# KiCad board driver.kicad_pcb (continued)
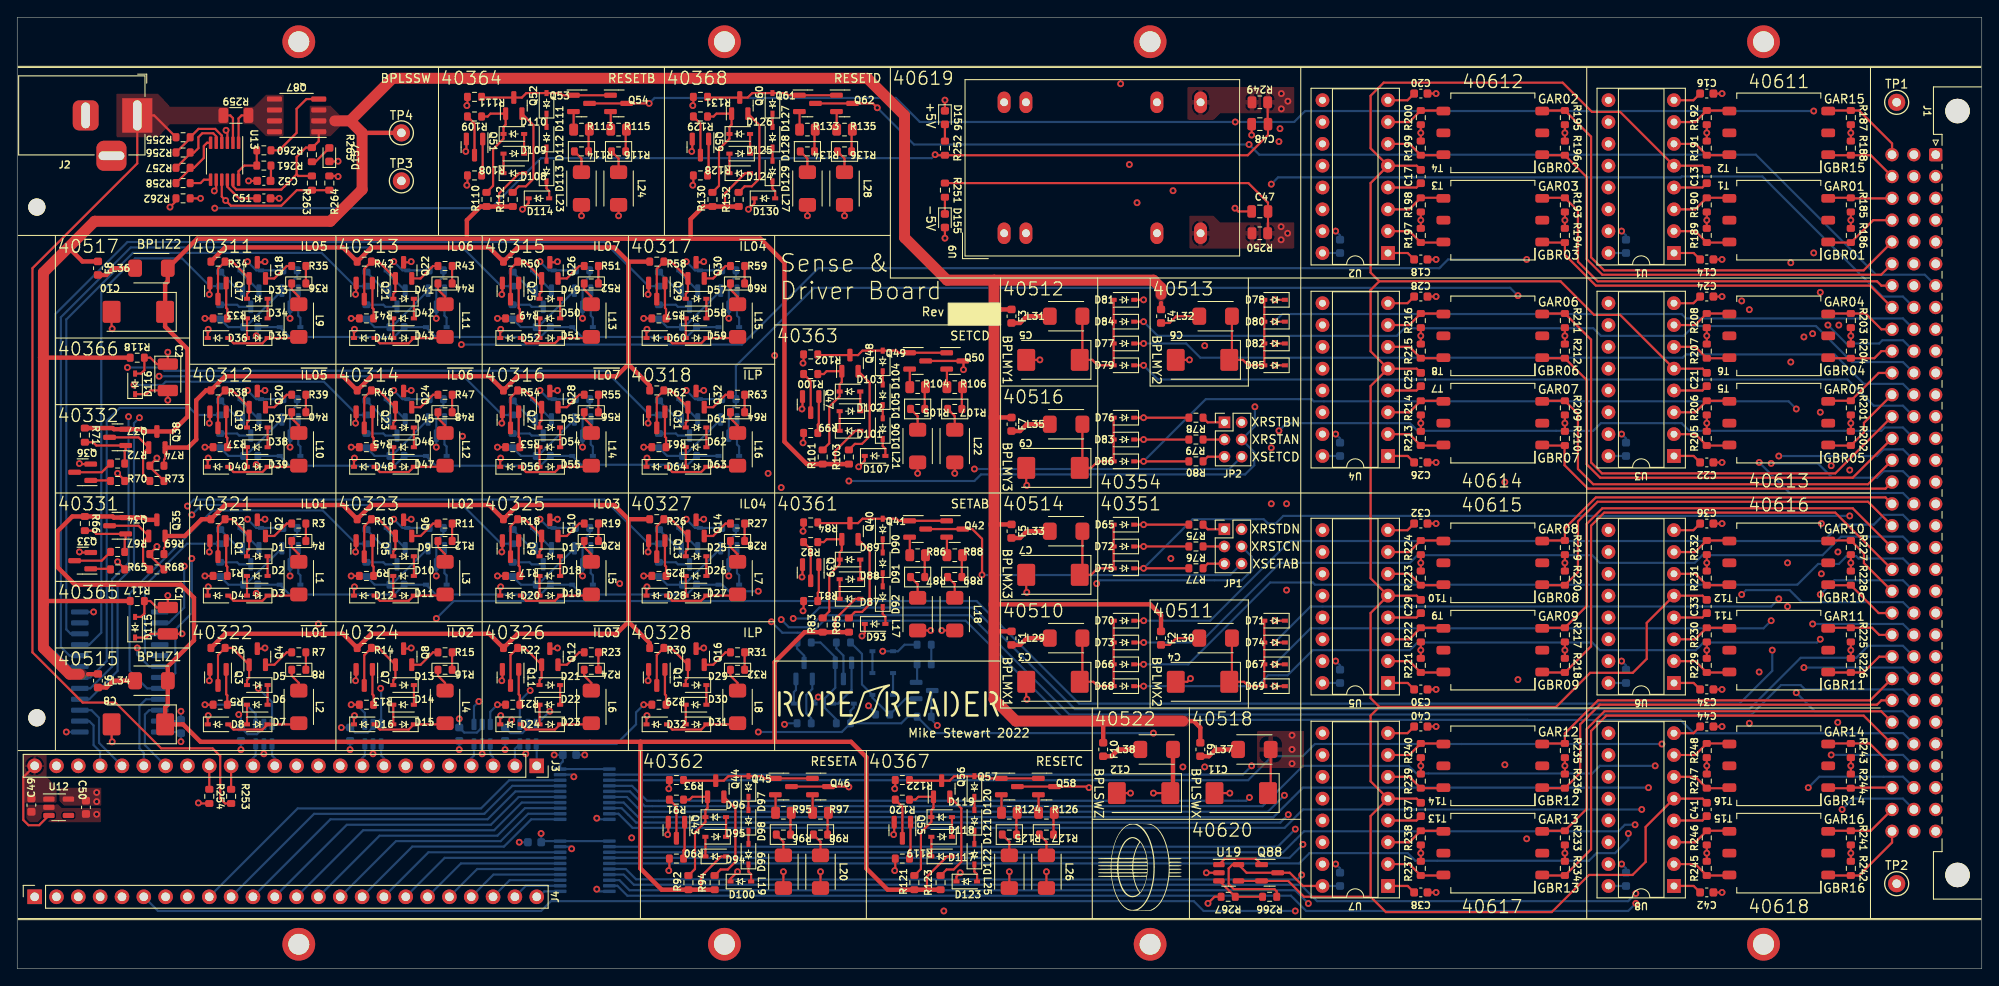
[diagram p0: board, top side]
## Footprints (pads in the part's own frame, mm; a bottom-side part is the same pattern mirrored in y, then rotated) (continued)
CP_EIA-3528-21_Kemet-B
  rrect 1.325x2.35 smd: 1(-1.538,0) 2(1.538,0)
CP_EIA-7343-31_Kemet-D
  rrect 2.075x2.55 smd: 1(-3.112,0) 2(3.112,0)
D_SOD-323
  rect 0.7x0.46 smd: 1(-1.2,0) 2(1.2,0)
DIN41612_C_3x32_Male_Horizontal_THT
  round 2.85 hole 2.85 unplated: (-5.08,2.54) (83.82,2.54)
  rrect 1.55x1.55 hole 1: a1(0,0)
  round 1.55 hole 1: a2(2.54,0) a3(5.08,0) a4(7.62,0) a5(10.16,0) a6(12.7,0) a7(15.24,0) a8(17.78,0) a9(20.32,0) a10(22.86,0) a11(25.4,0) a12(27.94,0) a13(30.48,0) a14(33.02,0) a15(35.56,0) a16(38.1,0) a17(40.64,0) a18(43.18,0) a19(45.72,0) a20(48.26,0) a21(50.8,0) a22(53.34,0) a23(55.88,0) a24(58.42,0) a25(60.96,0) a26(63.5,0) a27(66.04,0) a28(68.58,0) a29(71.12,0) a30(73.66,0) a31(76.2,0) a32(78.74,0) b1(0,-2.54) b2(2.54,-2.54) b3(5.08,-2.54) b4(7.62,-2.54) b5(10.16,-2.54) b6(12.7,-2.54) b7(15.24,-2.54) b8(17.78,-2.54) b9(20.32,-2.54) b10(22.86,-2.54) b11(25.4,-2.54) b12(27.94,-2.54) b13(30.48,-2.54) b14(33.02,-2.54) b15(35.56,-2.54) b16(38.1,-2.54) b17(40.64,-2.54) b18(43.18,-2.54) b19(45.72,-2.54) b20(48.26,-2.54) b21(50.8,-2.54) b22(53.34,-2.54) b23(55.88,-2.54) b24(58.42,-2.54) b25(60.96,-2.54) b26(63.5,-2.54) b27(66.04,-2.54) b28(68.58,-2.54) b29(71.12,-2.54) b30(73.66,-2.54) b31(76.2,-2.54) b32(78.74,-2.54) c1(0,-5.08) c2(2.54,-5.08) c3(5.08,-5.08) c4(7.62,-5.08) c5(10.16,-5.08) c6(12.7,-5.08) c7(15.24,-5.08) c8(17.78,-5.08) c9(20.32,-5.08) c10(22.86,-5.08) c11(25.4,-5.08) c12(27.94,-5.08) c13(30.48,-5.08) c14(33.02,-5.08) c15(35.56,-5.08) c16(38.1,-5.08) c17(40.64,-5.08) c18(43.18,-5.08) c19(45.72,-5.08) c20(48.26,-5.08) c21(50.8,-5.08) c22(53.34,-5.08) c23(55.88,-5.08) c24(58.42,-5.08) c25(60.96,-5.08) c26(63.5,-5.08) c27(66.04,-5.08) c28(68.58,-5.08) c29(71.12,-5.08) c30(73.66,-5.08) c31(76.2,-5.08) c32(78.74,-5.08)
DIP-16_W7.62mm_Socket
  rect 1.6x1.6 hole 0.8: 1(0,0)
  oval 1.6x1.6 hole 0.8: 2(0,-2.54) 3(0,-5.08) 4(0,-7.62) 5(0,-10.16) 6(0,-12.7) 7(0,-15.24) 8(0,-17.78) 9(7.62,-17.78) 10(7.62,-15.24) 11(7.62,-12.7) 12(7.62,-10.16) 13(7.62,-7.62) 14(7.62,-5.08) 15(7.62,-2.54) 16(7.62,0)
Fuse_0603_1608Metric
  rrect 0.875x0.95 smd: 1(-0.787,0) 2(0.787,0)
LED_0603_1608Metric
  rrect 0.875x0.95 smd: 1(-0.787,0) 2(0.787,0)
MountingHole_2mm
  round 2 hole 2 unplated: (0,0)
MountingHole_No2_Pad
  round 3.81 hole 2.438: 1(0,0)
MSOP-12_3x4mm_P0.65mm
  rrect 1.45x0.4 smd: 1(-2.15,1.625) 2(-2.15,0.975) 3(-2.15,0.325) 4(-2.15,-0.325) 5(-2.15,-0.975) 6(-2.15,-1.625) 7(2.15,-1.625) 8(2.15,-0.975) 9(2.15,-0.325) 10(2.15,0.325) 11(2.15,0.975) 12(2.15,1.625)
PinHeader_2x03_P2.00mm_Vertical
  rect 1.35x1.35 hole 0.8: 1(0,0)
  oval 1.35x1.35 hole 0.8: 2(2,0) 3(0,-2) 4(2,-2) 5(0,-4) 6(2,-4)
PinSocket_1x24_P2.54mm_Vertical
  rect 1.7x1.7 hole 1: 1(0,0)
  oval 1.7x1.7 hole 1: 2(0,-2.54) 3(0,-5.08) 4(0,-7.62) 5(0,-10.16) 6(0,-12.7) 7(0,-15.24) 8(0,-17.78) 9(0,-20.32) 10(0,-22.86) 11(0,-25.4) 12(0,-27.94) 13(0,-30.48) 14(0,-33.02) 15(0,-35.56) 16(0,-38.1) 17(0,-40.64) 18(0,-43.18) 19(0,-45.72) 20(0,-48.26) 21(0,-50.8) 22(0,-53.34) 23(0,-55.88) 24(0,-58.42)
R_0603_1608Metric
  rrect 0.8x0.95 smd: 1(-0.825,0) 2(0.825,0)
R_0805_2012Metric
  rrect 1.025x1.4 smd: 1(-0.912,0) 2(0.912,0)
R_1206_3216Metric
  rrect 1.125x1.75 smd: 1(-1.462,0) 2(1.462,0)
SO-8_3.9x4.9mm_P1.27mm
  rrect 1.75x0.6 smd: 1(-2.575,1.905) 2(-2.575,0.635) 3(-2.575,-0.635) 4(-2.575,-1.905) 5(2.575,-1.905) 6(2.575,-0.635) 7(2.575,0.635) 8(2.575,1.905)
SOIC-24W_7.5x15.4mm_P1.27mm
  rrect 2.05x0.6 smd: 1(-4.65,6.985) 2(-4.65,5.715) 3(-4.65,4.445) 4(-4.65,3.175) 5(-4.65,1.905) 6(-4.65,0.635) 7(-4.65,-0.635) 8(-4.65,-1.905) 9(-4.65,-3.175) 10(-4.65,-4.445) 11(-4.65,-5.715) 12(-4.65,-6.985) 13(4.65,-6.985) 14(4.65,-5.715) 15(4.65,-4.445) 16(4.65,-3.175) 17(4.65,-1.905) 18(4.65,-0.635) 19(4.65,0.635) 20(4.65,1.905) 21(4.65,3.175) 22(4.65,4.445) 23(4.65,5.715) 24(4.65,6.985)
SOT-23
  rrect 1.475x0.6 smd: 1(-0.938,0.95) 2(-0.938,-0.95) 3(0.938,0)
SOT-23-5
  rrect 1.325x0.6 smd: 1(-1.137,0.95) 2(-1.137,0) 3(-1.137,-0.95) 4(1.137,-0.95) 5(1.137,0.95)
SOT-23-6
  rrect 1.325x0.6 smd: 1(-1.137,0.95) 2(-1.137,0) 3(-1.137,-0.95) 4(1.137,-0.95) 5(1.137,0) 6(1.137,0.95)
TestPoint_Keystone_5000-5004_Miniature
  round 2 hole 1: 1(0,0)
Transformer_Murata_786J
  rrect 1.6x1 smd: 1(-5.75,2.54) 2(-5.75,0) 3(-5.75,-2.54) 4(5.75,2.54) 5(5.75,0) 6(5.75,-2.54)
TSOT-23-5
  rrect 1.325x0.6 smd: 1(-1.137,0.95) 2(-1.137,0) 3(-1.137,-0.95) 4(1.137,-0.95) 5(1.137,0.95)
TSSOP-20_4.4x6.5mm_P0.65mm
  rrect 1.475x0.4 smd: 1(-2.862,2.925) 2(-2.862,2.275) 3(-2.862,1.625) 4(-2.862,0.975) 5(-2.862,0.325) 6(-2.862,-0.325) 7(-2.862,-0.975) 8(-2.862,-1.625) 9(-2.862,-2.275) 10(-2.862,-2.925) 11(2.862,-2.925) 12(2.862,-2.275) 13(2.862,-1.625) 14(2.862,-0.975) 15(2.862,-0.325) 16(2.862,0.325) 17(2.862,0.975) 18(2.862,1.625) 19(2.862,2.275) 20(2.862,2.925)

## Nets
+3.3V: C45.2 C46.2 C50.1 C53.2 C54.1 C55.1 C56.1 C57.1 U10.1 U10.20 U11.1 U11.20 U12.5 U14.1 U14.24 U15.5 U16.5 U17.5 U18.5
+5V: C15.1 C19.1 C23.1 C27.1 C31.1 C35.1 C39.1 C43.1 C48.1 Q88.3 R249.1 R252.1 R254.2 R266.1 U1.16 U2.16 U3.16 U4.16 U5.16 U6.16 U7.16 U8.16 U19.5
+14V: F1.2 F2.2 F3.2 F4.2 F5.2 F6.2 F7.2 F8.2 F9.2 F10.2 Q87.1 Q87.2 Q87.3 R117.2 R118.2 R263.1 R265.1 TP4.1 U13.11
-5V: C16.2 C20.2 C24.2 C28.2 C32.2 C36.2 C40.2 C44.2 C47.2 R250.1 R251.1 U1.8 U2.8 U3.8 U4.8 U5.8 U6.8 U7.8 U8.8
/FPGA and Power/5V_FPGA: C49.2 J3.24 U12.1 U12.3
/FPGA and Power/14V_IN: J2.1 R253.2 R255.2 R259.2 U9.22 U9.23 U13.2
/FPGA and Power/14V_SENSE: Q87.5 Q87.6 Q87.7 Q87.8 R259.1 U13.1
/FPGA and Power/+5V_REG: R249.2 U9.14
/FPGA and Power/-5V_REG: R250.2 U9.11
/Rope Drivers/40510/14V_FUSE: F1.1 L29.1
/Rope Drivers/40511/14V_FUSE: F2.1 L30.1
/Rope Drivers/40512/14V_FUSE: F3.1 L31.1
/Rope Drivers/40513/14V_FUSE: F4.1 L32.1
/Rope Drivers/40514/14V_FUSE: F5.1 L33.1
/Rope Drivers/40515/14V_FUSE: F6.1 L34.1
/Rope Drivers/40516/14V_FUSE: F7.1 L35.1
/Rope Drivers/40517/14V_FUSE: F8.1 L36.1
/Sense Amplifiers/40518/14V_FUSE: F9.1 L37.1
/Strand Select/40522/14V_FUSE: F10.1 L38.1
GND: C1.2 C2.2 C3.2 C4.2 C5.2 C6.2 C7.2 C8.2 C9.2 C10.2 C11.2 C12.2 C13.1 C14.1 C15.2 C16.1 C17.1 C18.1 C19.2 C20.1 C21.1 C22.1 C23.2 C24.1 C25.1 C26.1 C27.2 C28.1 C29.1 C30.1 C31.2 C32.1 C33.1 C34.1 C35.2 C36.1 C37.1 C38.1 C39.2 C40.1 C41.1 C42.1 C43.2 C44.1 C45.1 C46.1 C47.1 C48.2 C49.1 C50.2 C51.2 C52.2 C53.1 C54.2 C55.2 C56.2 C57.2 D4.1 D8.1 D12.1 D16.1 D20.1 D24.1 D28.1 D32.1 D36.1 D40.1 D44.1 D48.1 D52.1 D56.1 D60.1 D64.1 D93.1 D100.1 D107.1 D114.1 D115.1 D116.1 D123.1 D130.1 D131.1 D133.1 D135.1 D137.1 D139.1 D141.1 D143.1 D145.1 D147.1 D149.1 D151.1 D153.1 D155.2 D156.1 D157.1 D158.1 D162.1 H1.1 H2.1 H3.1 H4.1 H5.1 H6.1 H7.1 H8.1 J1.b1 J1.b2 J1.b3 J1.b4 J1.b5 J1.b6 J1.b7 J2.2 J2.3 J4.1 L17.2 L18.2 L19.2 L20.2 L21.2 L22.2 L23.2 L24.2 L25.2 L26.2 L27.2 L28.2 R68.2 R69.2 R73.2 R74.2 R84.2 R93.2 R102.2 R111.2 R122.2 R131.2 R140.2 R144.2 R148.2 R152.2 R156.2 R160.2 R164.2 R168.2 R172.2 R176.2 R180.2 R184.2 R189.2 R190.1 R191.2 R192.1 R197.2 R198.1 R199.2 R200.1 R205.2 R206.1 R207.2 R208.1 R213.2 R214.1 R215.2 R216.1 R221.2 R222.1 R223.2 R224.1 R229.2 R230.1 R231.2 R232.1 R237.2 R238.1 R239.2 R240.1 R245.2 R246.1 R247.2 R248.1 R262.2 R264.2 R267.2 R272.2 R275.2 TP1.1 TP2.1 TP3.1 U1.4 U1.9 U1.13 U2.4 U2.9 U2.13 U3.4 U3.9 U3.13 U4.4 U4.9 U4.13 U5.4 U5.9 U5.13 U6.4 U6.9 U6.13 U7.4 U7.9 U7.13 U8.4 U8.9 U8.13 U9.2 U9.3 U9.9 U9.16 U10.10 U10.19 U11.10 U11.19 U12.2 U13.8 U14.12 U14.23 U15.2 U16.2 U17.2 U18.2 U19.2
/Connector/GAR1: J1.c3 R185.1 T1.3
/Connector/GAR2: J1.c5 R195.1 T4.3
/Connector/GAR3: J1.c7 R193.1 T3.3
/Connector/GAR4: J1.c9 R203.1 T6.3
/Connector/GAR5: J1.c11 R201.1 T5.3
/Connector/GAR6: J1.c13 R211.1 T8.3
/Connector/GAR7: J1.c15 R209.1 T7.3
/Connector/GAR8: J1.c17 R219.1 T10.3
/Connector/GAR9: J1.c19 R217.1 T9.3
/Connector/GAR10: J1.c21 R227.1 T12.3
/Connector/GAR11: J1.c23 R225.1 T11.3
/Connector/GAR12: J1.c25 R235.1 T14.3
/Connector/GAR13: J1.c27 R233.1 T13.3
/Connector/GAR14: J1.c29 R243.1 T16.3
/Connector/GAR15: J1.c1 R187.1 T2.3
/Connector/GAR16: J1.c31 R241.1 T15.3
/Connector/GBR1: J1.c4 R186.2 T1.1
/Connector/GBR2: J1.c6 R196.2 T4.1
/Connector/GBR3: J1.c8 R194.2 T3.1
/Connector/GBR4: J1.c10 R204.2 T6.1
/Connector/GBR5: J1.c12 R202.2 T5.1
/Connector/GBR6: J1.c14 R212.2 T8.1
/Connector/GBR7: J1.c16 R210.2 T7.1
/Connector/GBR8: J1.c18 R220.2 T10.1
/Connector/GBR9: J1.c20 R218.2 T9.1
/Connector/GBR10: J1.c22 R228.2 T12.1
/Connector/GBR11: J1.c24 R226.2 T11.1
/Connector/GBR12: J1.c26 R236.2 T14.1
/Connector/GBR13: J1.c28 R234.2 T13.1
/Connector/GBR14: J1.c30 R244.2 T16.1
/Connector/GBR15: J1.c2 R188.2 T2.1
/Connector/GBR16: J1.c32 R242.2 T15.1
/Connector/MODR1: J1.a32 Q91.3 R273.2
/Connector/RCD1: D68.1 J1.b21
/Connector/RCD2: D73.1 J1.b19
/Connector/RCD3: D69.1 J1.b17
/Connector/RCD4: D74.1 J1.b15
/Connector/RCD5: D79.1 J1.b13
/Connector/RCD6: D84.1 J1.b11
/Connector/RCD7: D80.1 J1.b9
/Connector/RCD8: D85.1 J1.b25
/Connector/RFD1: D66.1 J1.b20
/Connector/RFD2: D70.1 J1.b18
/Connector/RFD3: D67.1 J1.b16
/Connector/RFD4: D71.1 J1.b14
/Connector/RFD5: D77.1 J1.b12
/Connector/RFD6: D81.1 J1.b10
/Connector/RFD7: D78.1 J1.b8
/Connector/RFD8: D82.1 J1.b23
/Connector/RSTRD1: D83.1 J1.a4 R79.2
/Connector/RSTRD2: D76.1 J1.a8 R78.2
/Connector/RSTRD3: D72.1 J1.a1 R76.2
/Connector/RSTRD4: D65.1 J1.a5 R75.2
/Connector/SETRN1: D75.1 J1.b31 R77.2
/Connector/SETRN2: D86.1 J1.b27 R80.2
/Connector/STR1: J1.b22 Q64.3 R140.1
/Connector/STR2: J1.a31 Q66.3 R144.1
/Connector/STR3: J1.b24 Q68.3 R148.1
/Connector/STR4: J1.b30 Q70.3 R152.1
/Connector/STR5: J1.b26 Q72.3 R156.1
/Connector/STR6: J1.a28 Q74.3 R160.1
/Connector/STR7: J1.b28 Q76.3 R164.1
/Connector/STR8: J1.a26 Q78.3 R168.1
/Connector/STR9: J1.a30 Q80.3 R172.1
/Connector/STR10: J1.a24 Q82.3 R176.1
/Connector/STR11: J1.b32 Q84.3 R180.1
/Connector/STR12: J1.a22 Q86.3 R184.1
/Connector/XCN1: J1.a23 Q4.3
/Connector/XCN2: J1.a20 Q8.3
/Connector/XCN3: J1.a18 Q12.3
/Connector/XCN4: J1.a16 Q30.3
/Connector/XCN5: J1.a14 Q20.3
/Connector/XCN6: J1.a12 Q24.3
/Connector/XCN7: J1.a10 Q28.3
/Connector/XCN8: J1.a27 Q32.3
/Connector/XFN1: J1.a21 Q2.3
/Connector/XFN2: J1.a19 Q6.3
/Connector/XFN3: J1.a17 Q10.3
/Connector/XFN4: J1.a15 Q14.3
/Connector/XFN5: J1.a13 Q18.3
/Connector/XFN6: J1.a11 Q22.3
/Connector/XFN7: J1.a9 Q26.3
/Connector/XFN8: J1.a25 Q16.3
/Connector/XRST1: J1.a2 JP2.4 Q45.3 Q46.3
/Connector/XRST2: J1.a6 JP2.2 Q53.3 Q54.3
/Connector/XRST3: J1.a3 JP1.4 Q57.3 Q58.3
/Connector/XRST4: J1.a7 JP1.2 Q61.3 Q62.3
/Connector/XSET1: J1.a29 JP1.6 Q41.3 Q42.3
/Connector/XSET2: J1.b29 JP2.6 Q49.3 Q50.3
/FPGA and Power/ADC_5V: J3.16 R254.1
/FPGA and Power/ADC_14V: J3.15 R253.1
/FPGA and Power/EN_14V: J3.23 R262.1 U13.3
/FPGA and Power/IHENV: J4.5 R65.2 R70.2
/FPGA and Power/IL1: J3.14 R1.2 U15.3
/FPGA and Power/IL2: J3.9 R9.2 U16.3
/FPGA and Power/IL3: J3.3 R17.2 U17.1
/FPGA and Power/IL4: J3.2 R25.2 U18.3
/FPGA and Power/IL5: J3.13 R33.2 U15.1
/FPGA and Power/IL6: J3.8 R41.2 U16.1
/FPGA and Power/IL7: J3.4 R49.2 U17.3
/FPGA and Power/IL8: J3.1 R29.2 U18.1
/FPGA and Power/PG_14V: J3.22 R263.2 R264.1 U13.9
/FPGA and Power/RESET1: J4.8 R90.2
/FPGA and Power/RESET2: J3.7 R108.2
/FPGA and Power/RESET3: J4.7 R119.2
/FPGA and Power/RESET4: J3.6 R128.2
/FPGA and Power/ROPER: J3.10 R268.2
/FPGA and Power/SA1: U1.14 U11.5
/FPGA and Power/SA2: U2.12 U11.2
/FPGA and Power/SA3: U2.14 U11.4
/FPGA and Power/SA4: U3.12 U11.7
/FPGA and Power/SA5: U3.14 U11.9
/FPGA and Power/SA6: U4.12 U11.6
/FPGA and Power/SA7: U4.14 U11.8
/FPGA and Power/SA8: U5.12 U10.2
/FPGA and Power/SA9: U5.14 U10.4
/FPGA and Power/SA10: U6.12 U10.3
/FPGA and Power/SA11: U6.14 U10.5
/FPGA and Power/SA12: U7.12 U10.6
/FPGA and Power/SA13: U7.14 U10.8
/FPGA and Power/SA14: U8.12 U10.7
/FPGA and Power/SA15: U1.12 U11.3
/FPGA and Power/SA16: U8.14 U10.9
/FPGA and Power/SAF1: J4.12 U11.15
/FPGA and Power/SAF2: J4.9 U11.18
/FPGA and Power/SAF3: J4.11 U11.16
/FPGA and Power/SAF4: J4.14 U11.13
/FPGA and Power/SAF5: J4.16 U11.11
/FPGA and Power/SAF6: J4.13 U11.14
/FPGA and Power/SAF7: J4.15 U11.12
/FPGA and Power/SAF8: J4.17 U10.18
/FPGA and Power/SAF9: J4.19 U10.16
/FPGA and Power/SAF10: J4.18 U10.17
/FPGA and Power/SAF11: J4.20 U10.15
/FPGA and Power/SAF12: J4.21 U10.14
/FPGA and Power/SAF13: J4.23 U10.12
/FPGA and Power/SAF14: J4.22 U10.13
/FPGA and Power/SAF15: J4.10 U11.17
/FPGA and Power/SAF16: J4.24 U10.11
/FPGA and Power/SBF: J4.6 U1.11 U1.15 U2.11 U2.15 U3.11 U3.15 U4.11 U4.15 U5.11 U5.15 U6.11 U6.15 U7.11 U7.15 U8.11 U8.15
/FPGA and Power/SE1: R137.2 U14.9
/FPGA and Power/SE2: R141.2 U14.10
/FPGA and Power/SE3: R145.2 U14.8
/FPGA and Power/SE4: R149.2 U14.7
/FPGA and Power/SE5: R153.2 U14.6
/FPGA and Power/SE6: R157.2 U14.5
/FPGA and Power/SE7: R161.2 U14.4
/FPGA and Power/SE8: R165.2 U14.18
/FPGA and Power/SE9: R169.2 U14.17
/FPGA and Power/SE10: R173.2 U14.20
/FPGA and Power/SE11: R177.2 U14.19
/FPGA and Power/SE12: R181.2 U14.14
/FPGA and Power/SET1: J3.11 R81.2
/FPGA and Power/SET2: J3.5 R99.2
/FPGA and Power/STRA0: J3.21 U14.2
/FPGA and Power/STRA1: J3.20 U14.3
/FPGA and Power/STRA2: J3.19 U14.21
/FPGA and Power/STRA3: J3.18 U14.22
/FPGA and Power/~{IL1}: R5.2 U15.4
/FPGA and Power/~{IL2}: R13.2 U16.4
/FPGA and Power/~{IL3}: R21.2 U17.6
/FPGA and Power/~{IL4}: R57.2 U18.4
/FPGA and Power/~{IL5}: R37.2 U15.6
/FPGA and Power/~{IL6}: R45.2 U16.6
/FPGA and Power/~{IL7}: R53.2 U17.4
/FPGA and Power/~{IL8}: R61.2 U18.6
/Rope Drivers/40331A: Q35.2 R2.1 R6.1 R10.1 R14.1 R18.1 R22.1 R26.1 R30.1 R69.1
/Rope Drivers/40332A: Q38.2 R34.1 R38.1 R42.1 R46.1 R50.1 R54.1 R58.1 R62.1 R74.1
/Rope Drivers/40365A: C1.1 D115.2 Q1.2 Q3.2 Q5.2 Q7.2 Q9.2 Q11.2 Q13.2 Q15.2 Q33.2 Q39.2 Q43.2 Q55.2 R117.1
/Rope Drivers/40366A: C2.1 D116.2 Q17.2 Q19.2 Q21.2 Q23.2 Q25.2 Q27.2 Q29.2 Q31.2 Q36.2 Q47.2 Q51.2 Q59.2 R118.1
/Rope Drivers/BPLIZ1: C8.1 D87.2 D94.2 D117.2 L34.2 Q34.2 Q35.3 R66.1 R83.1 R85.1 R92.1 R94.1 R121.1 R123.1
/Rope Drivers/BPLIZ2: C10.1 D101.2 D108.2 D124.2 L36.2 Q37.2 Q38.3 R71.1 R101.1 R103.1 R110.1 R112.1 R130.1 R132.1
/Rope Drivers/BPLMX1: C3.1 D66.2 D68.2 D70.2 D73.2 L29.2
/Rope Drivers/BPLMX2: C4.1 D67.2 D69.2 D71.2 D74.2 L30.2
/Rope Drivers/BPLMX3: C7.1 D65.2 D72.2 D75.2 L33.2
/Rope Drivers/BPLMY1: C5.1 D77.2 D79.2 D81.2 D84.2 L31.2
/Rope Drivers/BPLMY2: C6.1 D78.2 D80.2 D82.2 D85.2 L32.2
/Rope Drivers/BPLMY3: C9.1 D76.2 D83.2 D86.2 L35.2
/Sense Amplifiers/BPLSWX: C11.1 L37.2 R185.2 R186.1 R187.2 R188.1 R193.2 R194.1 R195.2 R196.1 R201.2 R202.1 R203.2 R204.1 R209.2 R210.1 R211.2 R212.1 R217.2 R218.1 R219.2 R220.1 R225.2 R226.1 R227.2 R228.1 R233.2 R234.1 R235.2 R236.1 R241.2 R242.1 R243.2 R244.1
/Sense Amplifiers/VREF: C13.2 C17.2 C21.2 C25.2 C29.2 C33.2 C37.2 C41.2 Q88.2 U1.5 U2.5 U3.5 U4.5 U5.5 U6.5 U7.5 U8.5 U19.4
/Strand Select/BPLSWZ: C12.1 D132.2 D134.2 D136.2 D138.2 D140.2 D142.2 D144.2 D146.2 D148.2 D150.2 D152.2 D154.2 D159.2 L38.2 R138.1 R142.1 R146.1 R150.1 R154.1 R158.1 R162.1 R166.1 R170.1 R174.1 R178.1 R182.1 R269.1 R273.1
/Strand Select/RPR: Q89.3 R270.2
Net-(C14-Pad2): C14.2 U1.1
Net-(C18-Pad2): C18.2 U2.1
Net-(C22-Pad2): C22.2 U3.1
Net-(C26-Pad2): C26.2 U4.1
Net-(C30-Pad2): C30.2 U5.1
Net-(C34-Pad2): C34.2 U6.1
Net-(C38-Pad2): C38.2 U7.1
Net-(C42-Pad2): C42.2 U8.1
Net-(C51-Pad1): C51.1 U13.10
Net-(C52-Pad1): C52.1 R261.1
Net-(D1-Pad1): D1.1 D2.2
Net-(D1-Pad2): D1.2 Q1.3 Q2.1 R2.2
Net-(D2-Pad1): D2.1 D3.2
Net-(D3-Pad1): D3.1 D4.2 L1.2
Net-(D5-Pad1): D5.1 D6.2
Net-(D5-Pad2): D5.2 Q3.3 Q4.1 R6.2
Net-(D6-Pad1): D6.1 D7.2
Net-(D7-Pad1): D7.1 D8.2 L2.2
Net-(D9-Pad2): D9.2 Q5.3 Q6.1 R10.2
Net-(D10-Pad1): D10.1 D11.2
Net-(D10-Pad2): D9.1 D10.2
Net-(D11-Pad1): D11.1 D12.2 L3.2
Net-(D13-Pad1): D13.1 D14.2
Net-(D13-Pad2): D13.2 Q7.3 Q8.1 R14.2
Net-(D14-Pad1): D14.1 D15.2
Net-(D15-Pad1): D15.1 D16.2 L4.2
Net-(D17-Pad1): D17.1 D18.2
Net-(D17-Pad2): D17.2 Q9.3 Q10.1 R18.2
Net-(D18-Pad1): D18.1 D19.2
Net-(D19-Pad1): D19.1 D20.2 L5.2
Net-(D21-Pad1): D21.1 D22.2
Net-(D21-Pad2): D21.2 Q11.3 Q12.1 R22.2
Net-(D22-Pad1): D22.1 D23.2
Net-(D23-Pad1): D23.1 D24.2 L6.2
Net-(D25-Pad1): D25.1 D26.2
Net-(D25-Pad2): D25.2 Q13.3 Q14.1 R26.2
Net-(D26-Pad1): D26.1 D27.2
Net-(D27-Pad1): D27.1 D28.2 L7.2
Net-(D29-Pad1): D29.1 D30.2
Net-(D29-Pad2): D29.2 Q15.3 Q16.1 R30.2
Net-(D30-Pad1): D30.1 D31.2
Net-(D31-Pad1): D31.1 D32.2 L8.2
Net-(D33-Pad1): D33.1 D34.2
Net-(D33-Pad2): D33.2 Q17.3 Q18.1 R34.2
Net-(D34-Pad1): D34.1 D35.2
Net-(D35-Pad1): D35.1 D36.2 L9.2
Net-(D37-Pad1): D37.1 D38.2
Net-(D37-Pad2): D37.2 Q19.3 Q20.1 R38.2
Net-(D38-Pad1): D38.1 D39.2
Net-(D39-Pad1): D39.1 D40.2 L10.2
Net-(D41-Pad1): D41.1 D42.2
Net-(D41-Pad2): D41.2 Q21.3 Q22.1 R42.2
Net-(D42-Pad1): D42.1 D43.2
Net-(D43-Pad1): D43.1 D44.2 L11.2
Net-(D45-Pad1): D45.1 D46.2
Net-(D45-Pad2): D45.2 Q23.3 Q24.1 R46.2
Net-(D46-Pad1): D46.1 D47.2
Net-(D47-Pad1): D47.1 D48.2 L12.2
Net-(D49-Pad1): D49.1 D50.2
Net-(D49-Pad2): D49.2 Q25.3 Q26.1 R50.2
Net-(D50-Pad1): D50.1 D51.2
Net-(D51-Pad1): D51.1 D52.2 L13.2
Net-(D53-Pad1): D53.1 D54.2
Net-(D53-Pad2): D53.2 Q27.3 Q28.1 R54.2
Net-(D54-Pad1): D54.1 D55.2
Net-(D55-Pad1): D55.1 D56.2 L14.2
Net-(D57-Pad1): D57.1 D58.2
Net-(D57-Pad2): D57.2 Q29.3 Q30.1 R58.2
Net-(D58-Pad1): D58.1 D59.2
Net-(D59-Pad1): D59.1 D60.2 L15.2
Net-(D61-Pad1): D61.1 D62.2
Net-(D61-Pad2): D61.2 Q31.3 Q32.1 R62.2
Net-(D62-Pad1): D62.1 D63.2
Net-(D63-Pad1): D63.1 D64.2 L16.2
Net-(D87-Pad1): D87.1 D88.2
Net-(D88-Pad1): D88.1 D89.2
Net-(D89-Pad1): D89.1 Q40.1 R82.1 R83.2
Net-(D90-Pad1): D90.1 D91.2
Net-(D90-Pad2): D90.2 Q40.3 Q41.1 Q42.1 R84.1
Net-(D91-Pad1): D91.1 D92.2
Net-(D92-Pad1): D92.1 D93.2
Net-(D94-Pad1): D94.1 D95.2
Net-(D95-Pad1): D95.1 D96.2
Net-(D96-Pad1): D96.1 Q44.1 R91.1 R92.2
Net-(D97-Pad1): D97.1 D98.2
Net-(D97-Pad2): D97.2 Q44.3 Q45.1 Q46.1 R93.1
Net-(D98-Pad1): D98.1 D99.2
Net-(D100-Pad2): D99.1 D100.2
Net-(D101-Pad1): D101.1 D102.2
Net-(D102-Pad1): D102.1 D103.2
Net-(D103-Pad1): D103.1 Q48.1 R100.1 R101.2
Net-(D104-Pad1): D104.1 D105.2
Net-(D104-Pad2): D104.2 Q48.3 Q49.1 Q50.1 R102.1
Net-(D105-Pad1): D105.1 D106.2
Net-(D106-Pad1): D106.1 D107.2
Net-(D108-Pad1): D108.1 D109.2
Net-(D109-Pad1): D109.1 D110.2
Net-(D110-Pad1): D110.1 Q52.1 R109.1 R110.2
Net-(D111-Pad1): D111.1 D112.2
Net-(D111-Pad2): D111.2 Q52.3 Q53.1 Q54.1 R111.1
Net-(D112-Pad1): D112.1 D113.2
Net-(D113-Pad1): D113.1 D114.2
Net-(D117-Pad1): D117.1 D118.2
Net-(D118-Pad1): D118.1 D119.2
Net-(D119-Pad1): D119.1 Q56.1 R120.1 R121.2
Net-(D120-Pad1): D120.1 D121.2
Net-(D120-Pad2): D120.2 Q56.3 Q57.1 Q58.1 R122.1
Net-(D121-Pad1): D121.1 D122.2
Net-(D122-Pad1): D122.1 D123.2
Net-(D124-Pad1): D124.1 D125.2
Net-(D125-Pad1): D125.1 D126.2
Net-(D126-Pad1): D126.1 Q60.1 R129.1 R130.2
Net-(D127-Pad1): D127.1 D128.2
Net-(D127-Pad2): D127.2 Q60.3 Q61.1 Q62.1 R131.1
Net-(D128-Pad1): D128.1 D129.2
Net-(D129-Pad1): D129.1 D130.2
Net-(D131-Pad2): D131.2 Q63.2
Net-(D132-Pad1): D132.1 Q64.2
Net-(D133-Pad2): D133.2 Q65.2
Net-(D134-Pad1): D134.1 Q66.2
Net-(D135-Pad2): D135.2 Q67.2
Net-(D136-Pad1): D136.1 Q68.2
Net-(D137-Pad2): D137.2 Q69.2
Net-(D138-Pad1): D138.1 Q70.2
Net-(D139-Pad2): D139.2 Q71.2
Net-(D140-Pad1): D140.1 Q72.2
Net-(D141-Pad2): D141.2 Q73.2
Net-(D142-Pad1): D142.1 Q74.2
Net-(D143-Pad2): D143.2 Q75.2
Net-(D144-Pad1): D144.1 Q76.2
Net-(D145-Pad2): D145.2 Q77.2
Net-(D146-Pad1): D146.1 Q78.2
Net-(D147-Pad2): D147.2 Q79.2
Net-(D148-Pad1): D148.1 Q80.2
Net-(D149-Pad2): D149.2 Q81.2
Net-(D150-Pad1): D150.1 Q82.2
Net-(D151-Pad2): D151.2 Q83.2
Net-(D152-Pad1): D152.1 Q84.2
Net-(D153-Pad2): D153.2 Q85.2
Net-(D154-Pad1): D154.1 Q86.2
Net-(D155-Pad1): D155.1 R251.2
Net-(D156-Pad2): D156.2 R252.2
Net-(D157-Pad2): D157.2 R265.2
Net-(D158-Pad2): D158.2 Q89.2
Net-(D159-Pad1): D159.1 Q90.2
Net-(D160-Pad1): D160.1 D161.2
Net-(D160-Pad2): D160.2 Q91.1 R271.2 R272.1
Net-(D161-Pad1): D161.1 D162.2
Net-(JP1-Pad1): JP1.1 R75.1
Net-(JP1-Pad3): JP1.3 R76.1
Net-(JP1-Pad5): JP1.5 R77.1
Net-(JP2-Pad1): JP2.1 R78.1
Net-(JP2-Pad3): JP2.3 R79.1
Net-(JP2-Pad5): JP2.5 R80.1
Net-(L1-Pad1): L1.1 R4.2
Net-(L2-Pad1): L2.1 R8.2
Net-(L3-Pad1): L3.1 R12.2
Net-(L4-Pad1): L4.1 R16.2
Net-(L5-Pad1): L5.1 R20.2
Net-(L6-Pad1): L6.1 R24.2
Net-(L7-Pad1): L7.1 R28.2
Net-(L8-Pad1): L8.1 R32.2
Net-(L9-Pad1): L9.1 R36.2
Net-(L10-Pad1): L10.1 R40.2
Net-(L11-Pad1): L11.1 R44.2
Net-(L12-Pad1): L12.1 R48.2
Net-(L13-Pad1): L13.1 R52.2
Net-(L14-Pad1): L14.1 R56.2
Net-(L15-Pad1): L15.1 R60.2
Net-(L16-Pad1): L16.1 R64.2
Net-(L17-Pad1): L17.1 R87.2
Net-(L18-Pad1): L18.1 R89.2
Net-(L19-Pad1): L19.1 R96.2
Net-(L20-Pad1): L20.1 R98.2
Net-(L21-Pad1): L21.1 R105.2
Net-(L22-Pad1): L22.1 R107.2
Net-(L23-Pad1): L23.1 R114.2
Net-(L24-Pad1): L24.1 R116.2
Net-(L25-Pad1): L25.1 R125.2
Net-(L26-Pad1): L26.1 R127.2
Net-(L27-Pad1): L27.1 R134.2
Net-(L28-Pad1): L28.1 R136.2
Net-(Q1-Pad1): Q1.1 R1.1
Net-(Q2-Pad2): Q2.2 R3.1
Net-(Q3-Pad1): Q3.1 R5.1
Net-(Q4-Pad2): Q4.2 R7.1
Net-(Q5-Pad1): Q5.1 R9.1
Net-(Q6-Pad2): Q6.2 R11.1
Net-(Q7-Pad1): Q7.1 R13.1
Net-(Q8-Pad2): Q8.2 R15.1
Net-(Q9-Pad1): Q9.1 R17.1
Net-(Q10-Pad2): Q10.2 R19.1
Net-(Q11-Pad1): Q11.1 R21.1
Net-(Q12-Pad2): Q12.2 R23.1
Net-(Q13-Pad1): Q13.1 R25.1
Net-(Q14-Pad2): Q14.2 R27.1
Net-(Q15-Pad1): Q15.1 R29.1
Net-(Q16-Pad2): Q16.2 R31.1
Net-(Q17-Pad1): Q17.1 R33.1
Net-(Q18-Pad2): Q18.2 R35.1
Net-(Q19-Pad1): Q19.1 R37.1
Net-(Q20-Pad2): Q20.2 R39.1
Net-(Q21-Pad1): Q21.1 R41.1
Net-(Q22-Pad2): Q22.2 R43.1
Net-(Q23-Pad1): Q23.1 R45.1
Net-(Q24-Pad2): Q24.2 R47.1
Net-(Q25-Pad1): Q25.1 R49.1
Net-(Q26-Pad2): Q26.2 R51.1
Net-(Q27-Pad1): Q27.1 R53.1
Net-(Q28-Pad2): Q28.2 R55.1
Net-(Q29-Pad1): Q29.1 R57.1
Net-(Q30-Pad2): Q30.2 R59.1
Net-(Q31-Pad1): Q31.1 R61.1
Net-(Q32-Pad2): Q32.2 R63.1
Net-(Q33-Pad1): Q33.1 R65.1
Net-(Q33-Pad3): Q33.3 R67.2
Net-(Q34-Pad1): Q34.1 R66.2 R67.1
Net-(Q34-Pad3): Q34.3 Q35.1 R68.1
Net-(Q36-Pad1): Q36.1 R70.1
Net-(Q36-Pad3): Q36.3 R72.2
Net-(Q37-Pad1): Q37.1 R71.2 R72.1
Net-(Q37-Pad3): Q37.3 Q38.1 R73.1
Net-(Q39-Pad1): Q39.1 R81.1
Net-(Q39-Pad3): Q39.3 R82.2
Net-(Q40-Pad2): Q40.2 R85.2
Net-(Q41-Pad2): Q41.2 R86.1
Net-(Q42-Pad2): Q42.2 R88.1
Net-(Q43-Pad1): Q43.1 R90.1
Net-(Q43-Pad3): Q43.3 R91.2
Net-(Q44-Pad2): Q44.2 R94.2
Net-(Q45-Pad2): Q45.2 R95.1
Net-(Q46-Pad2): Q46.2 R97.1
Net-(Q47-Pad1): Q47.1 R99.1
Net-(Q47-Pad3): Q47.3 R100.2
Net-(Q48-Pad2): Q48.2 R103.2
Net-(Q49-Pad2): Q49.2 R104.1
Net-(Q50-Pad2): Q50.2 R106.1
Net-(Q51-Pad1): Q51.1 R108.1
Net-(Q51-Pad3): Q51.3 R109.2
Net-(Q52-Pad2): Q52.2 R112.2
Net-(Q53-Pad2): Q53.2 R113.1
Net-(Q54-Pad2): Q54.2 R115.1
Net-(Q55-Pad1): Q55.1 R119.1
Net-(Q55-Pad3): Q55.3 R120.2
Net-(Q56-Pad2): Q56.2 R123.2
Net-(Q57-Pad2): Q57.2 R124.1
Net-(Q58-Pad2): Q58.2 R126.1
Net-(Q59-Pad1): Q59.1 R128.1
Net-(Q59-Pad3): Q59.3 R129.2
Net-(Q60-Pad2): Q60.2 R132.2
Net-(Q61-Pad2): Q61.2 R133.1
Net-(Q62-Pad2): Q62.2 R135.1
Net-(Q63-Pad1): Q63.1 R137.1
Net-(Q63-Pad3): Q63.3 R139.2
Net-(Q64-Pad1): Q64.1 R138.2 R139.1
Net-(Q65-Pad1): Q65.1 R141.1
Net-(Q65-Pad3): Q65.3 R143.2
Net-(Q66-Pad1): Q66.1 R142.2 R143.1
Net-(Q67-Pad1): Q67.1 R145.1
Net-(Q67-Pad3): Q67.3 R147.2
Net-(Q68-Pad1): Q68.1 R146.2 R147.1
Net-(Q69-Pad1): Q69.1 R149.1
Net-(Q69-Pad3): Q69.3 R151.2
Net-(Q70-Pad1): Q70.1 R150.2 R151.1
Net-(Q71-Pad1): Q71.1 R153.1
Net-(Q71-Pad3): Q71.3 R155.2
Net-(Q72-Pad1): Q72.1 R154.2 R155.1
Net-(Q73-Pad1): Q73.1 R157.1
Net-(Q73-Pad3): Q73.3 R159.2
Net-(Q74-Pad1): Q74.1 R158.2 R159.1
Net-(Q75-Pad1): Q75.1 R161.1
Net-(Q75-Pad3): Q75.3 R163.2
Net-(Q76-Pad1): Q76.1 R162.2 R163.1
Net-(Q77-Pad1): Q77.1 R165.1
Net-(Q77-Pad3): Q77.3 R167.2
Net-(Q78-Pad1): Q78.1 R166.2 R167.1
Net-(Q79-Pad1): Q79.1 R169.1
Net-(Q79-Pad3): Q79.3 R171.2
Net-(Q80-Pad1): Q80.1 R170.2 R171.1
Net-(Q81-Pad1): Q81.1 R173.1
Net-(Q81-Pad3): Q81.3 R175.2
Net-(Q82-Pad1): Q82.1 R174.2 R175.1
Net-(Q83-Pad1): Q83.1 R177.1
Net-(Q83-Pad3): Q83.3 R179.2
Net-(Q84-Pad1): Q84.1 R178.2 R179.1
Net-(Q85-Pad1): Q85.1 R181.1
Net-(Q85-Pad3): Q85.3 R183.2
Net-(Q86-Pad1): Q86.1 R182.2 R183.1
Net-(Q87-Pad4): Q87.4 R260.1
Net-(Q88-Pad1): Q88.1 U19.1
Net-(Q89-Pad1): Q89.1 R268.1
Net-(Q90-Pad1): Q90.1 R269.2 R270.1
Net-(Q90-Pad3): Q90.3 R271.1
Net-(Q91-Pad2): Q91.2 R274.1
Net-(R3-Pad2): R3.2 R4.1
Net-(R7-Pad2): R7.2 R8.1
Net-(R11-Pad2): R11.2 R12.1
Net-(R15-Pad2): R15.2 R16.1
Net-(R19-Pad2): R19.2 R20.1
Net-(R23-Pad2): R23.2 R24.1
Net-(R27-Pad2): R27.2 R28.1
Net-(R31-Pad2): R31.2 R32.1
Net-(R35-Pad2): R35.2 R36.1
Net-(R39-Pad2): R39.2 R40.1
Net-(R43-Pad2): R43.2 R44.1
Net-(R47-Pad2): R47.2 R48.1
Net-(R51-Pad2): R51.2 R52.1
Net-(R55-Pad2): R55.2 R56.1
Net-(R59-Pad2): R59.2 R60.1
Net-(R63-Pad2): R63.2 R64.1
Net-(R86-Pad2): R86.2 R87.1
Net-(R88-Pad2): R88.2 R89.1
Net-(R95-Pad2): R95.2 R96.1
Net-(R97-Pad2): R97.2 R98.1
Net-(R104-Pad2): R104.2 R105.1
Net-(R106-Pad2): R106.2 R107.1
Net-(R113-Pad2): R113.2 R114.1
Net-(R115-Pad2): R115.2 R116.1
Net-(R124-Pad2): R124.2 R125.1
Net-(R126-Pad2): R126.2 R127.1
Net-(R133-Pad2): R133.2 R134.1
Net-(R135-Pad2): R135.2 R136.1
Net-(R189-Pad1): R189.1 T1.4 U1.2
Net-(R190-Pad2): R190.2 T1.6 U1.3
Net-(R191-Pad1): R191.1 T2.4 U1.6
Net-(R192-Pad2): R192.2 T2.6 U1.7
Net-(R197-Pad1): R197.1 T3.4 U2.2
Net-(R198-Pad2): R198.2 T3.6 U2.3
Net-(R199-Pad1): R199.1 T4.4 U2.6
Net-(R200-Pad2): R200.2 T4.6 U2.7
Net-(R205-Pad1): R205.1 T5.4 U3.2